# Allegro board 8880F5-0823_9.brd (continued)
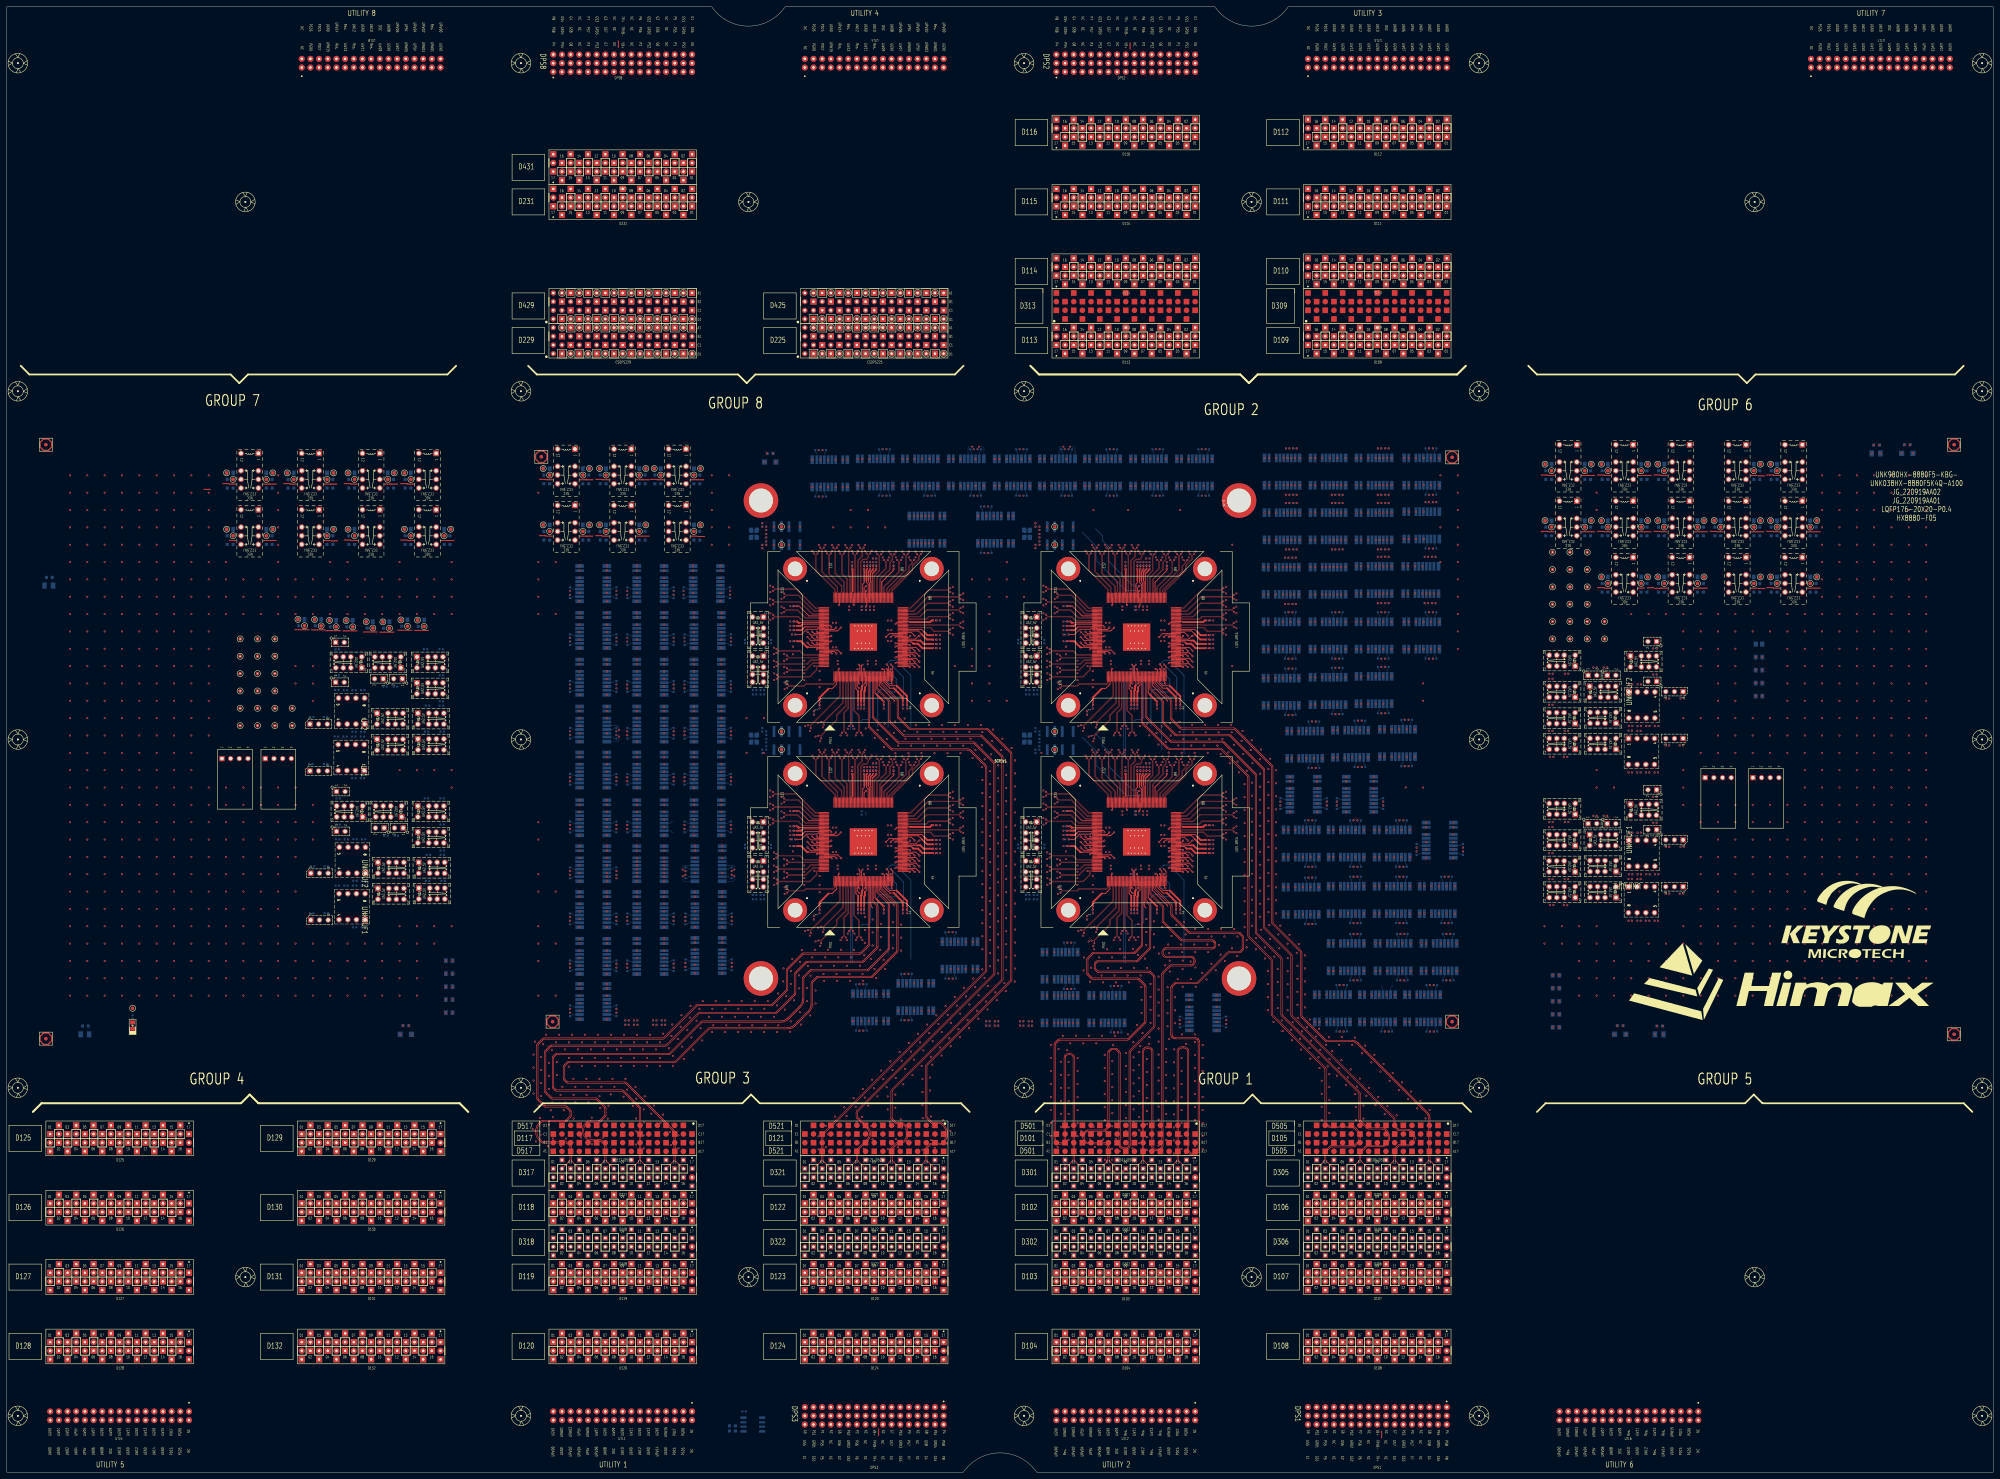
[diagram p0: board, top side]
## Routing (per net, layer and track width the routed paths; a pad name or vN(x,y) marks a point on that pad's centre or on a via; arc(x,y) is an arc through that point) (continued)
D10414: length 457
  TOP w0.086: v1(318.42,154.92) 318.42,155.56 323.1,160.24 323.1,161.66 325.75,164.32 325.75,171.4 325.83,171.48 SITE4.10
  L03_SIGNAL w0.071: D104.14 341.92,39.66 343.07,39.66 343.54,40.13 343.54,41.33 353.29,51.08 353.29,120.74 360,127.46 360,130.7 358.93,131.77 357.53,131.77 v1(357.06,131.3)
  L28_SIGNAL w0.071: v1(357.06,131.3) 357.53,131.77 358.67,131.77 373.02,117.42 391.41,117.42 392.93,118.93 402.26,118.93 403.78,117.42 415.89,117.42 419.97,113.34 419.97,111.09 410.98,102.1 363.51,102.1 362.38,100.96 362.38,98.95 363.54,97.79 404.05,97.79 404.99,96.84 404.99,94.76 403.95,93.72 362.13,93.72 351.74,104.1 334.36,104.1 333.15,105.32 327.28,105.32 326.33,104.36 317.08,104.36 314.61,106.83 314.61,151.78 317.75,154.92 v1(318.42,154.92)
D10415: length 457
  TOP w0.086: SITE4.7 324.63,171.48 324.71,171.4 324.71,165.47 319.04,159.8 v1(318.4,159.8)
  L03_SIGNAL w0.071: v1(372.94,196.45) 372.46,195.98 371.32,195.98 370.72,195.37 370.72,154.19 370.15,153.62 370.15,149.8 370.72,149.23 370.72,133.04 355.6,117.92 355.6,37.72 347.43,29.55 341.61,29.55 340.38,30.78 340.38,33.52 341.33,34.47 341.81,34.47 D104.15
  L28_SIGNAL w0.071: v1(372.94,196.45) 372.46,195.98 365.96,195.98 360.93,201.01 356.31,201.01 352.71,197.41 311.26,197.41 304.37,204.3 304.37,211.81 299.91,216.28 285.96,216.28 285.22,215.54 285.22,214.21 286.11,213.32 300.47,213.32 301.66,212.14 301.66,210.49 300.74,209.58 290.79,209.58 288.29,212.08 286.82,212.08 285.09,210.35 282.22,210.35 277.96,206.09 277.96,179.31 279.43,177.84 279.43,168.4 287.38,160.44 303.73,160.44 305.18,161.89 305.18,165.43 309.4,169.65 315.35,169.65 320.3,164.71 320.3,161.03 319.07,159.8 v1(318.4,159.8)
D10416: length 457
  TOP w0.086: v1(317.61,155.73) 318.25,155.73 322.86,160.34 322.86,161.76 325.51,164.41 325.51,171.4 325.43,171.48 SITE4.9
  L03_SIGNAL w0.071: v1(357.06,132.44) 357.53,131.97 359.01,131.97 360.2,130.78 360.2,127.37 353.48,120.66 353.48,50.99 343.74,41.25 343.74,39.9 343.74,39.8 D104.16
  L28_SIGNAL w0.071: v1(317.61,155.73) 317.61,155.06 314.41,151.86 314.41,106.75 317,104.17 326.41,104.17 327.36,105.12 333.07,105.12 334.28,103.91 351.66,103.91 362.05,93.52 404.03,93.52 405.19,94.68 405.19,96.92 404.13,97.99 363.62,97.99 362.57,99.03 362.57,100.88 363.6,101.9 411.06,101.9 420.17,111.01 420.17,113.42 415.98,117.61 403.86,117.61 402.35,119.13 392.84,119.13 391.33,117.61 373.1,117.61 358.75,131.97 357.53,131.97 v1(357.06,132.44)
D10601: length 833.7
  TOP w0.086: SITE4.81 343.98,190.43 344.06,190.51 347.46,190.51 349.46,192.51 358.8,192.51 v1(359.29,192.02)
  L07_SIGNAL w0.071: v1(408.07,144.08) 408.54,144.55 408.54,145.14 408.38,145.31 407.48,145.31 407.25,145.08 407.25,140.39 410,137.64 415.96,137.64 436.43,117.17 515.3,117.17 521.79,110.67 521.79,46.51 519.69,44.41 497,44.41 496.75,44.15 496.75,43.75 497.06,43.45 521.46,43.45 521.93,42.98 521.93,42.46 521.31,41.83 441.03,41.83 440.66,41.46 440.66,41.11 440.96,40.81 521.27,40.81 521.67,40.41 521.67,39.66 521,38.99 441.03,38.99 440.71,38.67 440.71,38.26 441.04,37.93 481.93,37.93 482.58,37.29 482.58,36.14 482,35.57 440.07,35.57 438.68,36.95 438.68,53.05 425.97,65.76 425.97,76.33 422.38,79.92 380.43,79.92 378.94,78.43 378.94,73.56 379.78,72.72 383.32,72.72 384.4,73.8 384.4,74.18 383.63,74.95 382.25,74.95 D106.01
  L30_SIGNAL w0.071: v1(408.07,144.08) 408.54,144.55 408.54,145.4 407.35,146.59 407.35,150.53 408.78,151.96 423.35,151.96 425.63,154.24 425.63,165.4 422.08,168.95 414.42,168.95 411.46,171.91 411.46,181.18 406.99,185.66 373.31,185.66 366.48,192.49 359.76,192.49 v1(359.29,192.02)
D10602: length 833.7
  TOP w0.086: v1(304.31,195.45) 304.75,195.01 312.43,195.01 315.88,191.55 317.6,191.55 317.68,191.63 SITE4.137
  L05_SIGNAL w0.071: v1(407.82,160.85) 408.29,160.37 408.29,159.71 405.33,156.76 405.33,143.57 407.73,141.18 407.73,131.03 413.6,125.16 429.71,125.16 451.35,146.8 451.35,161.22 450.01,162.55 450.01,197.54 453.83,201.35 530.16,201.35 530.99,202.18 530.99,203.82 529.9,204.91 512.23,204.91 510.83,206.3 510.83,207.76 511.45,208.38 545.98,208.38 549.66,204.7 549.66,40.74 544.3,35.38 457.8,35.38 434.18,59 434.18,82.95 422.97,94.16 380.5,94.16 375.27,88.93 375.27,84.69 377.68,82.29 385.67,82.29 386.2,81.76 386.2,81.15 385.09,80.04 384.84,80.04 D106.02
  L32_SIGNAL w0.071: v1(407.82,160.85) 408.29,160.37 408.29,159.24 407.3,158.25 404.36,158.25 402.79,159.81 402.79,165.45 399.27,168.98 357.85,168.98 348.16,178.67 348.16,185.55 343.35,190.36 311.61,190.36 307.7,194.28 305.98,194.28 305.28,194.98 304.78,194.98 v1(304.31,195.45)
D10603: length 833.7
  TOP w0.086: v1(359.29,193.16) 358.88,192.75 349.36,192.75 347.37,190.75 344.06,190.75 343.98,190.83 SITE4.82
  L07_SIGNAL w0.071: D106.03 384.6,74.72 384.6,73.72 383.4,72.52 379.7,72.52 378.74,73.48 378.74,78.51 380.35,80.12 422.46,80.12 426.17,76.41 426.17,65.84 438.88,53.13 438.88,37.03 440.15,35.76 481.91,35.76 482.38,36.23 482.38,37.2 481.84,37.74 440.95,37.74 440.51,38.18 440.51,38.76 440.94,39.19 520.92,39.19 521.47,39.74 521.47,40.33 521.19,40.61 440.88,40.61 440.46,41.02 440.46,41.55 440.95,42.03 521.22,42.03 521.73,42.54 521.73,42.9 521.38,43.25 496.97,43.25 496.55,43.67 496.55,44.24 496.92,44.6 519.6,44.6 521.59,46.59 521.59,110.59 515.21,116.97 436.35,116.97 415.88,137.44 409.92,137.44 407.05,140.3 407.05,145.16 407.4,145.51 408.46,145.51 408.74,145.23 408.74,144.55 v1(409.21,144.08)
  L30_SIGNAL w0.071: v1(409.21,144.08) 408.74,144.55 408.74,145.48 407.55,146.67 407.55,150.45 408.86,151.76 423.43,151.76 425.82,154.16 425.82,165.48 422.16,169.15 414.5,169.15 411.66,171.99 411.66,181.26 407.07,185.85 373.39,185.85 366.56,192.69 359.76,192.69 v1(359.29,193.16)
D10604: length 833.7
  TOP w0.086: SITE4.138 317.68,191.23 317.6,191.31 315.78,191.31 312.33,194.77 304.76,194.77 v1(304.31,194.31)
  L05_SIGNAL w0.071: v1(408.96,160.85) 408.49,160.37 408.49,159.63 405.53,156.67 405.53,143.65 407.92,141.26 407.92,131.11 413.68,125.35 429.63,125.35 451.15,146.88 451.15,161.14 449.82,162.47 449.82,197.62 453.75,201.55 530.08,201.55 530.79,202.26 530.79,203.74 529.82,204.71 512.14,204.71 510.63,206.22 510.63,207.84 511.37,208.57 546.06,208.57 549.86,204.78 549.86,40.66 544.38,35.18 457.72,35.18 433.98,58.92 433.98,82.87 422.89,93.96 380.59,93.96 375.47,88.84 375.47,84.77 377.76,82.49 385.75,82.49 386.4,81.84 386.4,80.96 D106.04
  L32_SIGNAL w0.071: v1(304.31,194.31) 304.78,194.78 305.19,194.78 305.89,194.08 307.61,194.08 311.53,190.16 343.27,190.16 347.96,185.47 347.96,178.59 357.77,168.78 399.19,168.78 402.6,165.37 402.6,159.73 404.28,158.05 407.38,158.05 408.49,159.16 408.49,160.37 v1(408.96,160.85)
D10605: length 833.7
  TOP w0.086: v1(330.93,210.87) 330.46,210.4 330.46,208.18 329.35,207.06 329.35,197.86 329.43,197.78 SITE4.114
  L07_SIGNAL w0.071: D106.05 392.23,75.13 394.04,75.13 394.66,74.55 394.66,73.47 393.3,72.1 377.65,72.1 375.37,74.38 375.37,87.32 380.32,92.27 420.1,92.27 426.67,85.71 426.67,66.69 440.22,53.14 440.22,43.46 441.03,42.65 495.05,42.65 495.81,43.4 495.81,44.05 495.35,44.51 442.21,44.51 441.79,44.92 441.79,45.4 442.09,45.69 519.58,45.69 520.12,46.24 520.12,47.1 519.66,47.56 466.05,47.56 465.78,47.83 465.78,48.46 465.95,48.64 519.53,48.64 520.31,49.41 520.31,108.42 513.67,115.06 435.44,115.06 424.35,126.15 402.89,126.15 401.78,127.27 401.78,129.78 402.62,130.63 403.52,130.63 403.97,130.17 403.97,129.57 v1(403.5,129.1)
  L30_SIGNAL w0.071: v1(330.93,210.87) 330.46,210.4 330.46,203.29 346.84,186.9 353.69,186.9 359.47,181.12 395.32,181.12 398.7,177.74 398.7,146.26 402.3,142.66 412.68,142.66 414.37,144.35 419.12,144.35 420.76,142.71 420.76,138.95 418.5,136.7 402.67,136.7 400.84,134.86 400.84,127.24 401.62,126.45 403.4,126.45 403.98,127.04 403.98,128.61 v1(403.5,129.1)
D10606: length 833.7
  TOP w0.086: v1(307.6,197.38) 308.04,196.95 311.86,196.95 316.46,192.35 317.6,192.35 317.68,192.43 SITE4.135
  L05_SIGNAL w0.071: D106.06 395.64,80.68 395.79,80.68 396.46,81.36 396.46,82.04 395.72,82.78 379.6,82.78 378.21,84.18 378.21,88.74 382.2,92.73 422.35,92.73 431.52,83.55 431.52,55.04 456.2,30.36 546.14,30.36 553.53,37.76 553.53,206.5 550.28,209.75 494.29,209.75 493.36,208.81 493.36,207.43 494.05,206.74 508.2,206.74 508.7,206.24 508.7,205.07 508.25,204.62 486.54,204.62 485.48,203.57 451.32,203.57 449.08,201.33 449.08,149.33 426.1,126.35 416.34,126.35 414.03,128.67 414.03,145.77 410,149.79 410,171.47 408.29,173.18 408.29,173.96 v1(407.82,174.43)
  L32_SIGNAL w0.071: v1(407.82,174.43) 408.29,173.96 408.29,172.79 407.97,172.47 405.75,172.47 401.56,176.65 362.95,176.65 342.69,196.91 308.07,196.91 v1(307.6,197.38)
D10607: length 833.7
  TOP w0.086: SITE4.115 329.03,197.78 329.11,197.86 329.11,207.16 330.22,208.28 330.22,210.43 v1(329.79,210.87)
  L07_SIGNAL w0.071: D106.07 394.86,74.82 394.86,73.38 393.38,71.9 377.57,71.9 375.17,74.3 375.17,87.4 380.24,92.47 420.18,92.47 426.86,85.79 426.86,66.77 440.42,53.22 440.42,43.54 441.11,42.85 494.97,42.85 495.61,43.49 495.61,43.97 495.27,44.31 442.12,44.31 441.59,44.84 441.59,45.48 442.01,45.89 519.5,45.89 519.92,46.32 519.92,47.02 519.58,47.36 465.97,47.36 465.58,47.75 465.58,48.54 465.87,48.83 519.45,48.83 520.11,49.49 520.11,108.34 513.59,114.86 435.36,114.86 424.26,125.96 402.81,125.96 401.58,127.19 401.58,129.87 402.54,130.83 403.6,130.83 404.17,130.25 404.17,129.57 v1(404.64,129.1)
  L30_SIGNAL w0.071: v1(404.64,129.1) 404.18,128.64 404.18,126.95 403.48,126.25 401.54,126.25 400.64,127.15 400.64,134.94 402.59,136.9 418.42,136.9 420.56,139.04 420.56,142.63 419.03,144.16 414.45,144.16 412.76,142.47 402.21,142.47 398.5,146.18 398.5,177.66 395.23,180.92 359.39,180.92 353.61,186.7 346.76,186.7 330.26,203.2 330.26,210.4 v1(329.79,210.87)
D10608: length 833.7
  TOP w0.086: SITE4.136 317.68,192.03 317.6,192.11 316.36,192.11 311.76,196.71 308.07,196.71 v1(307.6,196.24)
  L05_SIGNAL w0.071: v1(408.96,174.43) 408.49,173.96 408.49,173.26 410.2,171.55 410.2,149.87 414.22,145.85 414.22,128.75 416.42,126.55 426.02,126.55 448.88,149.41 448.88,201.42 451.23,203.77 485.4,203.77 486.45,204.82 508.17,204.82 508.5,205.16 508.5,206.16 508.11,206.54 493.97,206.54 493.16,207.35 493.16,208.9 494.21,209.95 550.36,209.95 553.73,206.58 553.73,37.68 546.22,30.17 456.12,30.17 431.32,54.96 431.32,83.47 422.27,92.53 382.28,92.53 378.41,88.66 378.41,84.26 379.69,82.98 395.8,82.98 396.66,82.12 396.66,80.86 D106.08
  L32_SIGNAL w0.071: v1(307.6,196.24) 308.07,196.71 342.61,196.71 362.86,176.46 401.48,176.46 405.66,172.27 408.05,172.27 408.49,172.71 408.49,173.96 v1(408.96,174.43)
D10609: length 833.7
  TOP w0.086: v1(321.28,209.15) 320.83,208.7 320.83,203.34 324.55,199.62 324.55,197.86 324.63,197.78 SITE4.126
  L07_SIGNAL w0.071: v1(416.71,142.68) 417.18,143.16 417.18,143.61 417.84,144.27 420.1,144.27 443.48,120.89 518.93,120.89 524.86,114.95 524.86,29.86 523.25,28.25 459.28,28.25 458.86,27.83 458.86,27.25 459.29,26.82 518.31,26.82 518.84,26.3 518.84,25.67 518.29,25.12 438.82,25.12 438.4,24.7 438.4,24.2 439.04,23.56 519.18,23.56 519.51,23.23 519.51,22.53 518.79,21.82 439.38,21.82 436.22,24.97 436.22,50.94 424.1,63.06 424.1,68.89 420.97,72.02 404.16,72.02 403.41,72.76 403.41,74.11 D106.09
  L30_SIGNAL w0.071: v1(321.28,209.15) 320.81,208.68 320.81,156.64 325.48,151.97 329.66,151.97 333.56,155.86 359.5,155.86 363.54,151.83 377.21,151.83 388.06,140.97 416.32,140.97 417.18,141.83 417.18,142.21 v1(416.71,142.68)
D10610: length 833.7
  TOP w0.086: SITE4.129 323.43,197.78 323.35,197.86 323.35,199.29 318.85,203.79 318.85,210.43 v1(319.3,210.88)
  L05_SIGNAL w0.071: v1(416.71,129.1) 417.18,128.62 417.18,128.19 417.71,127.67 424.53,127.67 426.94,130.08 426.94,139.47 447.87,160.4 447.87,203.17 451.05,206.35 471.35,206.35 474.13,209.13 491.02,209.13 493.33,211.45 540.68,211.45 541.4,212.16 541.4,213.55 540.72,214.23 534.66,214.23 533.27,215.63 533.27,217.64 534.59,218.96 553.07,218.96 555.91,216.13 555.91,36.08 548.58,28.76 455.62,28.76 429.82,54.56 429.82,76.22 423.02,83.02 407.18,83.02 406.67,82.51 406.67,80.94 405.68,79.95 405.07,79.95 D106.10
  L32_SIGNAL w0.071: v1(319.3,210.88) 318.83,211.35 318.83,212.23 327.12,220.51 346.58,220.51 347.35,219.74 379.05,219.74 380.17,220.86 404.34,220.86 405.89,219.32 419.72,219.32 434.95,204.09 434.95,140.66 428.78,134.49 420.85,134.49 417.18,130.82 417.18,129.57 v1(416.71,129.1)
D10611: length 833.7
  TOP w0.086: v1(320.14,209.15) 320.59,208.7 320.59,203.24 324.31,199.52 324.31,197.86 324.23,197.78 SITE4.127
  L07_SIGNAL w0.071: v1(417.85,142.68) 417.38,143.16 417.38,143.52 417.93,144.07 420.02,144.07 424.54,139.55 443.4,120.69 518.85,120.69 524.66,114.87 524.66,29.95 523.16,28.45 459.2,28.45 458.66,27.91 458.66,27.17 459.21,26.63 518.23,26.63 518.64,26.22 518.64,25.75 518.21,25.32 438.74,25.32 438.2,24.78 438.2,24.12 438.96,23.36 519.1,23.36 519.31,23.15 519.31,22.62 518.71,22.01 439.46,22.01 436.41,25.06 436.41,51.02 424.3,63.14 424.3,68.97 421.05,72.22 404.24,72.22 403.61,72.85 403.61,74.06 404.7,75.15 405.35,75.15 D106.11
  L30_SIGNAL w0.071: v1(417.85,142.68) 417.38,142.21 417.38,141.75 416.4,140.77 387.98,140.77 377.13,151.63 363.45,151.63 359.42,155.67 333.65,155.67 329.75,151.77 325.4,151.77 320.61,156.55 320.61,208.68 v1(320.14,209.15)
D10612: length 833.7
  TOP w0.086: SITE4.130 323.03,197.78 323.11,197.86 323.11,199.19 318.61,203.69 318.61,210.43 v1(318.16,210.88)
  L05_SIGNAL w0.071: D106.12 408.94,78.79 406.87,80.86 406.87,82.43 407.26,82.82 422.94,82.82 429.62,76.14 429.62,54.47 455.54,28.56 548.66,28.56 556.11,36 556.11,216.21 553.16,219.16 534.51,219.16 533.07,217.72 533.07,215.54 534.58,214.03 540.64,214.03 541.2,213.47 541.2,212.24 540.6,211.65 493.25,211.65 490.93,209.33 474.04,209.33 471.27,206.55 450.97,206.55 447.67,203.25 447.67,160.49 426.74,139.56 426.74,130.16 424.44,127.86 417.79,127.86 417.38,128.28 417.38,128.62 v1(417.85,129.1)
  L32_SIGNAL w0.071: v1(417.85,129.1) 417.38,129.57 417.38,130.74 420.93,134.29 428.87,134.29 435.15,140.58 435.15,204.17 419.8,219.52 405.97,219.52 404.43,221.06 380.09,221.06 378.97,219.94 347.44,219.94 346.66,220.71 327.03,220.71 318.63,212.31 318.63,211.35 v1(318.16,210.88)
D10613: length 833.7
  TOP w0.086: SITE4.87 343.98,192.83 344.06,192.91 344.57,192.91 349.88,198.23 355.83,198.23 v1(356.24,197.81)
  L07_SIGNAL w0.071: v1(409.34,220.41) 409.81,220.88 409.81,221.74 410.55,222.48 413.52,222.48 414.2,221.8 414.2,176.28 412.16,174.24 412.16,143.86 437.17,118.85 517.4,118.85 523.09,113.16 523.09,39.72 521.63,38.26 484.67,38.26 484.24,37.83 484.24,36.79 484.64,36.4 522.98,36.4 523.44,35.94 523.44,34.94 522.76,34.25 440.33,34.25 439.8,33.73 439.8,33.08 440.29,32.59 523.18,32.59 523.74,32.02 523.74,31.02 522.44,29.72 439.87,29.72 439.45,29.3 439.45,28.62 439.81,28.27 457.2,28.27 457.78,27.69 457.78,26.6 457.32,26.14 438.63,26.14 437.43,27.34 437.43,51.72 425.18,63.98 425.18,69.12 421.74,72.56 414.08,72.56 413.54,73.1 413.54,74.14 D106.13
  L30_SIGNAL w0.071: v1(409.34,220.41) 409.81,220.88 409.81,222.14 408.72,223.23 407.28,223.23 406.57,222.52 406.57,215.5 403.31,212.23 389.74,212.23 387.14,209.63 387.14,207.82 388.83,206.13 388.83,192.9 386.08,190.16 380.51,190.16 379.88,190.79 379.88,195.39 376.1,199.18 363.85,199.18 362.95,198.28 356.72,198.28 v1(356.24,197.81)
D10614: length 833.7
  TOP w0.086: SITE4.93 337.83,197.78 337.75,197.86 337.75,198.68 343.34,204.27 343.34,208.49 v1(343.79,208.93)
  L05_SIGNAL w0.071: D106.14 415.67,80.39 416.25,80.39 416.86,80.99 416.86,82.08 417.26,82.48 420.93,82.48 427.5,75.92 427.5,53.03 454.49,26.03 552.22,26.03 559.97,33.78 559.97,219.16 557.42,221.71 487.14,221.71 485.82,220.39 485.82,219.15 486.9,218.07 529.24,218.07 530.65,216.67 530.65,214.94 529.1,213.39 493.99,213.39 491.18,210.58 473.77,210.58 471.17,207.99 449.61,207.99 446,204.38 446,163.08 424.82,141.9 422.81,141.9 422,142.71 422,143.61 v1(421.53,144.08)
  L32_SIGNAL w0.071: v1(421.53,144.08) 422.01,144.56 422.01,145.55 427.98,151.53 427.98,201.66 415.42,214.22 371.28,214.22 369.91,215.59 347.22,215.59 343.31,211.69 343.31,209.4 v1(343.79,208.93)
D10615: length 833.7
  TOP w0.086: SITE4.88 343.98,193.23 344.06,193.15 344.47,193.15 349.78,198.47 355.76,198.47 v1(356.24,198.95)
  L07_SIGNAL w0.071: D106.15 415.52,75.16 414.41,75.16 413.73,74.48 413.73,73.19 414.17,72.75 421.83,72.75 425.38,69.2 425.38,64.06 437.63,51.8 437.63,27.42 438.71,26.34 457.24,26.34 457.58,26.68 457.58,27.61 457.12,28.07 439.72,28.07 439.25,28.54 439.25,29.38 439.79,29.92 522.36,29.92 523.55,31.11 523.55,31.94 523.1,32.39 440.21,32.39 439.6,32.99 439.6,33.81 440.24,34.45 522.67,34.45 523.24,35.02 523.24,35.86 522.9,36.2 484.55,36.2 484.04,36.71 484.04,37.91 484.59,38.46 521.55,38.46 522.89,39.8 522.89,113.08 517.32,118.65 437.08,118.65 411.96,143.78 411.96,174.32 414,176.36 414,221.72 413.44,222.28 410.63,222.28 410.01,221.66 410.01,220.88 v1(410.48,220.41)
  L30_SIGNAL w0.071: v1(410.48,220.41) 410.01,220.88 410.01,222.22 408.8,223.43 407.2,223.43 406.38,222.61 406.38,215.58 403.23,212.43 389.66,212.43 386.94,209.71 386.94,207.74 388.63,206.05 388.63,192.99 386,190.36 380.59,190.36 380.08,190.87 380.08,195.48 376.18,199.37 363.77,199.37 362.87,198.48 356.72,198.48 v1(356.24,198.95)
D10616: length 833.7
  TOP w0.086: SITE4.94 337.43,197.78 337.51,197.86 337.51,198.78 343.1,204.37 343.1,208.47 v1(342.64,208.93)
  L05_SIGNAL w0.071: v1(422.68,144.08) 422.2,143.61 422.2,142.79 422.89,142.1 424.74,142.1 445.8,163.17 445.8,204.46 449.53,208.18 471.09,208.18 473.68,210.78 491.1,210.78 493.91,213.59 529.02,213.59 530.45,215.02 530.45,216.59 529.16,217.87 486.82,217.87 485.62,219.07 485.62,220.47 487.06,221.91 557.5,221.91 560.17,219.24 560.17,33.7 552.31,25.83 454.41,25.83 427.3,52.94 427.3,75.84 420.85,82.29 417.34,82.29 417.06,82 417.06,80.88 417.06,80.78 D106.16
  L32_SIGNAL w0.071: v1(422.68,144.08) 422.21,144.55 422.21,145.47 428.18,151.44 428.18,201.75 415.51,214.42 371.37,214.42 369.99,215.79 347.14,215.79 343.12,211.77 343.12,209.4 v1(342.64,208.93)
D10701: length 833.7
  TOP w0.086: SITE4.89 339.43,197.78 339.35,197.86 339.35,198.16 345.32,204.13 345.32,205.52 347.21,207.41 347.21,208.5 v1(347.64,208.93)
  L05_SIGNAL w0.071: D107.01 383.11,53.77 383.11,46.53 386.58,43.06 419.73,43.06 453.58,9.21 561.89,9.21 570.71,18.03 570.71,248.36 566.49,252.58 451.56,252.58 450.17,251.19 450.17,248.87 451.47,247.57 504.89,247.57 505.43,247.03 505.43,245.68 504.89,245.14 441.26,245.14 418.39,222.27 418.39,212.58 414.55,208.74 410.39,208.74 409.81,208.17 409.81,207.29 v1(409.34,206.82)
  L32_SIGNAL w0.071: v1(347.64,208.93) 347.17,209.4 347.17,211.08 347.69,211.59 363.28,211.59 364.3,212.61 405.73,212.61 409.81,208.53 409.81,207.29 v1(409.34,206.82)
D10702: length 833.7
  TOP w0.086: SITE4.124 325.43,197.78 325.35,197.86 325.35,200.75 322.73,203.37 322.73,210.45 v1(323.16,210.88)
  L07_SIGNAL w0.071: D107.02 385.29,60.17 385.87,60.17 386.39,60.69 386.39,61.29 385.8,61.88 377.65,61.88 371.97,67.56 371.97,87.99 379.04,95.06 424.12,95.06 431.19,87.99 431.19,67.13 440.66,57.66 504.51,57.66 505.55,58.71 505.55,59.87 504.57,60.85 439.68,60.85 438.55,61.98 438.55,62.87 439.51,63.83 516.97,63.83 517.61,64.46 517.61,65.35 517.22,65.75 448.67,65.75 447.87,66.54 447.87,67.42 448.6,68.15 516.71,68.15 517.36,68.8 517.36,96.45 508.56,105.25 430.15,105.25 413.87,121.53 396.38,121.53 395.46,122.46 395.46,127.62 394.82,128.26 394.82,140.14 396.4,141.72 396.4,158.26 394.83,159.83 394.83,160.37 v1(394.35,160.85)
  L30_SIGNAL w0.071: v1(394.35,160.85) 394.83,160.37 394.83,159.29 394.29,158.75 392.76,158.75 391.47,160.04 391.47,166.25 388.65,169.06 360.7,169.06 357.67,172.1 328.31,172.1 325.23,175.17 325.23,189.99 322.69,192.54 322.69,210.41 v1(323.16,210.88)
D10703: length 833.7
  TOP w0.086: SITE4.90 339.03,197.78 339.11,197.86 339.11,198.26 345.08,204.23 345.08,205.62 346.97,207.51 346.97,208.46 v1(346.5,208.93)
  L05_SIGNAL w0.071: D107.03 384.65,54.45 384.01,54.45 383.31,53.75 383.31,46.61 386.66,43.26 419.81,43.26 453.66,9.41 561.81,9.41 570.52,18.11 570.52,248.27 566.41,252.38 451.64,252.38 450.37,251.11 450.37,248.95 451.55,247.77 504.97,247.77 505.63,247.11 505.63,245.6 504.97,244.94 441.34,244.94 418.58,222.19 418.58,212.49 414.64,208.55 410.47,208.55 410.01,208.08 410.01,207.29 v1(410.48,206.82)
  L32_SIGNAL w0.071: v1(410.48,206.82) 410.01,207.29 410.01,208.61 405.81,212.81 364.22,212.81 363.2,211.79 347.61,211.79 346.97,211.16 346.97,209.4 v1(346.5,208.93)
D10704: length 833.7
  TOP w0.086: SITE4.125 325.03,197.78 325.11,197.86 325.11,200.65 322.49,203.28 322.49,210.41 v1(322.02,210.88)
  L07_SIGNAL w0.071: v1(395.5,160.85) 395.03,160.37 395.03,159.91 396.6,158.34 396.6,141.64 395.02,140.06 395.02,128.34 395.66,127.7 395.66,122.54 396.47,121.73 413.95,121.73 430.24,105.45 508.64,105.45 517.56,96.53 517.56,68.72 516.79,67.95 448.68,67.95 448.07,67.34 448.07,66.62 448.75,65.95 517.3,65.95 517.81,65.44 517.81,64.38 517.05,63.63 439.59,63.63 438.75,62.79 438.75,62.06 439.77,61.05 504.66,61.05 505.75,59.96 505.75,58.62 504.59,57.46 440.57,57.46 430.99,67.05 430.99,87.91 424.04,94.86 379.12,94.86 372.17,87.9 372.17,67.64 377.73,62.08 385.88,62.08 386.59,61.37 386.59,60.45 D107.04
  L30_SIGNAL w0.071: v1(322.02,210.88) 322.49,210.41 322.49,192.45 325.03,189.91 325.03,175.09 328.22,171.9 357.59,171.9 360.62,168.87 388.57,168.87 391.27,166.16 391.27,159.96 392.68,158.55 394.37,158.55 395.02,159.21 395.02,160.37 v1(395.5,160.85)
D10705: length 833.7
  TOP w0.086: v1(338,207.21) 337.55,206.76 337.55,204.67 334.95,202.07 334.95,197.86 335.03,197.78 SITE4.100
  L05_SIGNAL w0.071: v1(426.4,182.99) 426.87,182.52 431.72,182.52 437.34,188.14 437.34,235.33 442.64,240.63 484.39,240.63 485.02,240 502.91,240 508.12,245.21 550.25,245.21 551.01,245.98 551.01,246.77 550.27,247.51 508.37,247.51 507.74,248.14 507.74,249.16 508.56,249.99 563.9,249.99 568.61,245.28 568.61,19.36 560.18,10.94 455.23,10.94 421.01,45.15 397.59,45.15 393.44,49.3 393.44,53.6 D107.05
  L32_SIGNAL w0.071: v1(426.4,182.99) 425.93,182.52 424.72,182.52 415.23,192 393.71,192 392.01,190.29 374.85,190.29 372.95,192.2 362.13,192.2 360.86,190.93 359.63,190.93 357.54,193.01 350.99,193.01 344.12,199.88 339.26,199.88 337.53,201.61 337.53,206.74 v1(338,207.21)
D10706: length 833.7
  TOP w0.086: v1(356.24,190.09) 355.8,190.53 350.02,190.53 349.2,189.71 344.06,189.71 343.98,189.63 SITE4.79
  L07_SIGNAL w0.071: v1(408.07,157.67) 408.54,157.2 408.54,156.01 398.61,146.07 398.61,125.65 400.48,123.77 414.39,123.77 430.31,107.86 483,107.86 483.68,108.54 483.68,109.37 482.93,110.12 438.26,110.12 437.32,111.06 437.32,112.09 438.32,113.1 511.76,113.1 518.88,105.98 518.88,63.66 516.71,61.49 510.39,61.49 507.29,58.39 507.29,56.67 506.42,55.8 444.13,55.8 443.21,54.88 443.21,53.24 444.13,52.32 518.36,52.32 518.91,51.76 518.91,51.09 518.36,50.53 443.81,50.53 443.01,49.73 443.01,49.17 443.72,48.46 464.16,48.46 464.5,48.12 464.5,47.5 464.02,47.03 442.74,47.03 441.8,47.97 441.8,53.83 428.71,66.93 428.71,87.16 422.24,93.63 379.9,93.63 373.31,87.04 373.31,68.71 379.51,62.51 395.9,62.51 396.52,61.9 396.52,61.19 394.8,59.47 394.75,59.47 D107.06
  L30_SIGNAL w0.071: v1(408.07,157.67) 408.54,158.14 408.54,159.38 407.87,160.06 406.43,160.06 403.03,163.46 403.03,181.26 400.14,184.16 370.8,184.16 367.44,187.51 364.01,187.51 360.96,190.56 356.72,190.56 v1(356.24,190.09)
D10707: length 833.7
  TOP w0.086: SITE4.101 334.63,197.78 334.71,197.86 334.71,202.17 337.31,204.77 337.31,206.76 v1(336.85,207.21)
  L05_SIGNAL w0.071: v1(426.4,181.84) 426.87,182.32 431.8,182.32 437.54,188.05 437.54,235.25 442.72,240.43 484.31,240.43 484.94,239.8 502.99,239.8 508.21,245.01 550.33,245.01 551.21,245.89 551.21,246.85 550.35,247.71 508.45,247.71 507.94,248.22 507.94,249.08 508.65,249.79 563.82,249.79 568.41,245.2 568.41,19.45 560.1,11.14 455.31,11.14 421.1,45.35 397.67,45.35 393.64,49.38 393.64,54.19 393.96,54.51 394.87,54.51 D107.07
  L32_SIGNAL w0.071: v1(426.4,181.84) 425.93,182.32 424.63,182.32 415.15,191.8 393.79,191.8 392.09,190.1 374.77,190.1 372.87,192 362.21,192 360.94,190.73 359.55,190.73 357.46,192.82 350.91,192.82 344.04,199.68 339.18,199.68 337.33,201.53 337.33,206.74 v1(336.85,207.21)
D10708: length 833.7
  TOP w0.086: v1(356.24,191.23) 355.78,190.77 349.92,190.77 349.1,189.95 344.06,189.95 343.98,190.03 SITE4.80
  L07_SIGNAL w0.071: v1(409.21,157.67) 408.74,157.2 408.74,155.92 398.81,145.99 398.81,125.73 400.56,123.97 414.47,123.97 430.39,108.05 482.92,108.05 483.49,108.62 483.49,109.29 482.85,109.93 438.17,109.93 437.12,110.98 437.12,112.17 438.24,113.3 511.84,113.3 519.08,106.06 519.08,63.57 516.8,61.29 510.47,61.29 507.49,58.31 507.49,56.59 506.51,55.6 444.21,55.6 443.41,54.8 443.41,53.32 444.21,52.51 518.44,52.51 519.11,51.85 519.11,51 518.44,50.34 443.9,50.34 443.21,49.65 443.21,49.25 443.8,48.66 464.24,48.66 464.69,48.2 464.69,47.42 464.1,46.83 442.66,46.83 441.61,47.89 441.61,53.75 428.51,66.85 428.51,87.08 422.15,93.43 379.98,93.43 373.51,86.96 373.51,68.79 379.59,62.71 395.98,62.71 396.72,61.98 396.72,60.48 D107.08
  L30_SIGNAL w0.071: v1(409.21,157.67) 408.74,158.14 408.74,159.46 407.95,160.25 406.51,160.25 403.23,163.54 403.23,181.35 400.22,184.35 370.88,184.35 367.52,187.71 364.09,187.71 361.04,190.76 356.72,190.76 v1(356.24,191.23)
